# Altium PCB AiwacA33.PcbDoc (part 1 of 14)
Units mm, origin at the board's own origin, x right, y up, seen from the top; angles counter-clockwise.
Board outline 84.06 x 74 mm, 2 copper layers (Top Layer, Bottom Layer); 141 components, 152 nets, 23205 pads, 852 vias.
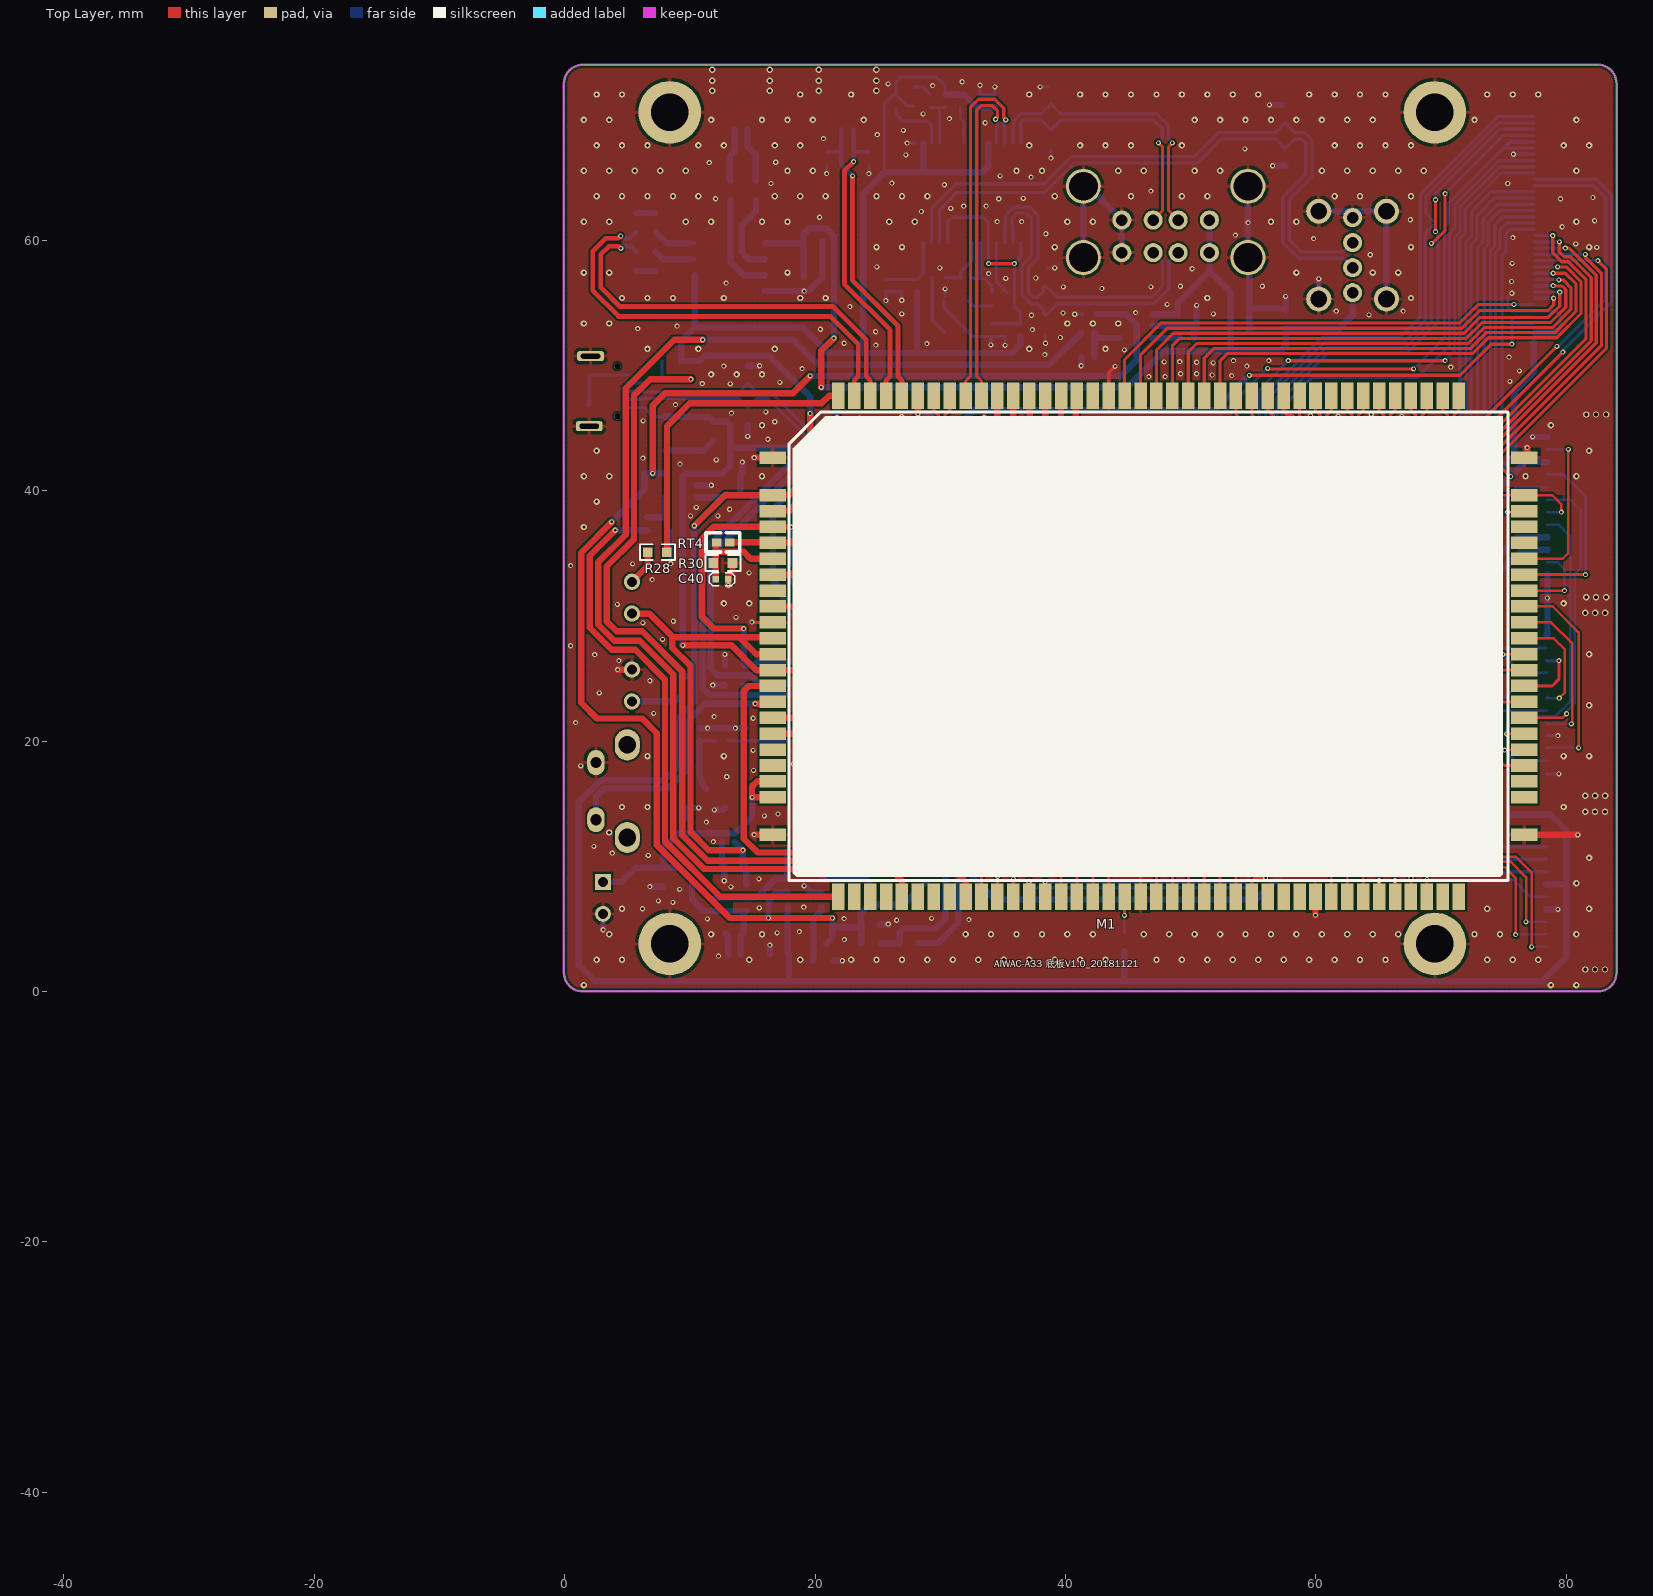
[diagram p0: Top Layer view]
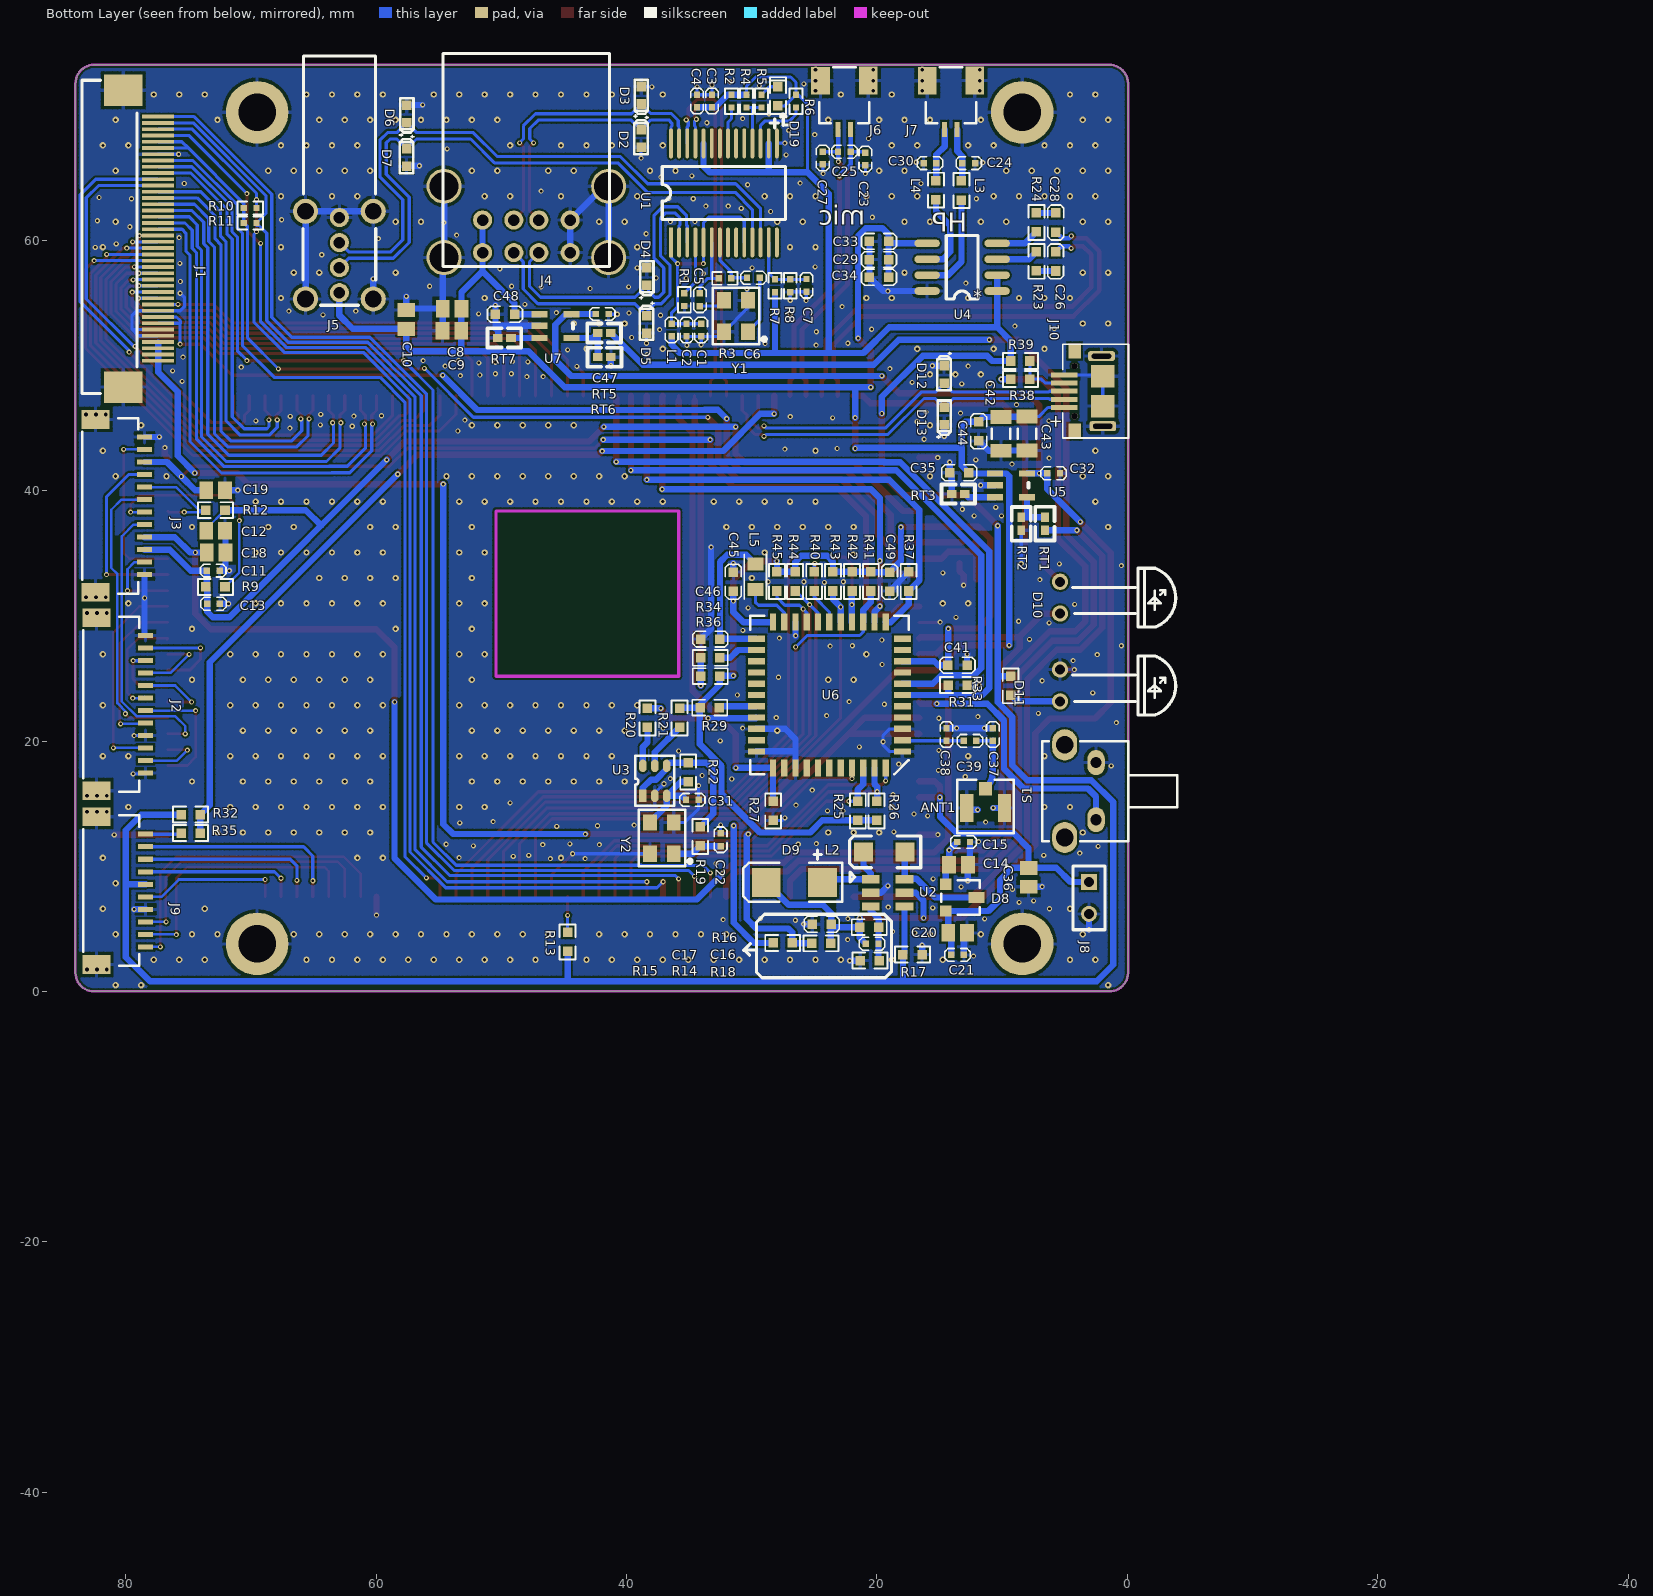
[diagram p1: Bottom Layer view, seen from below]
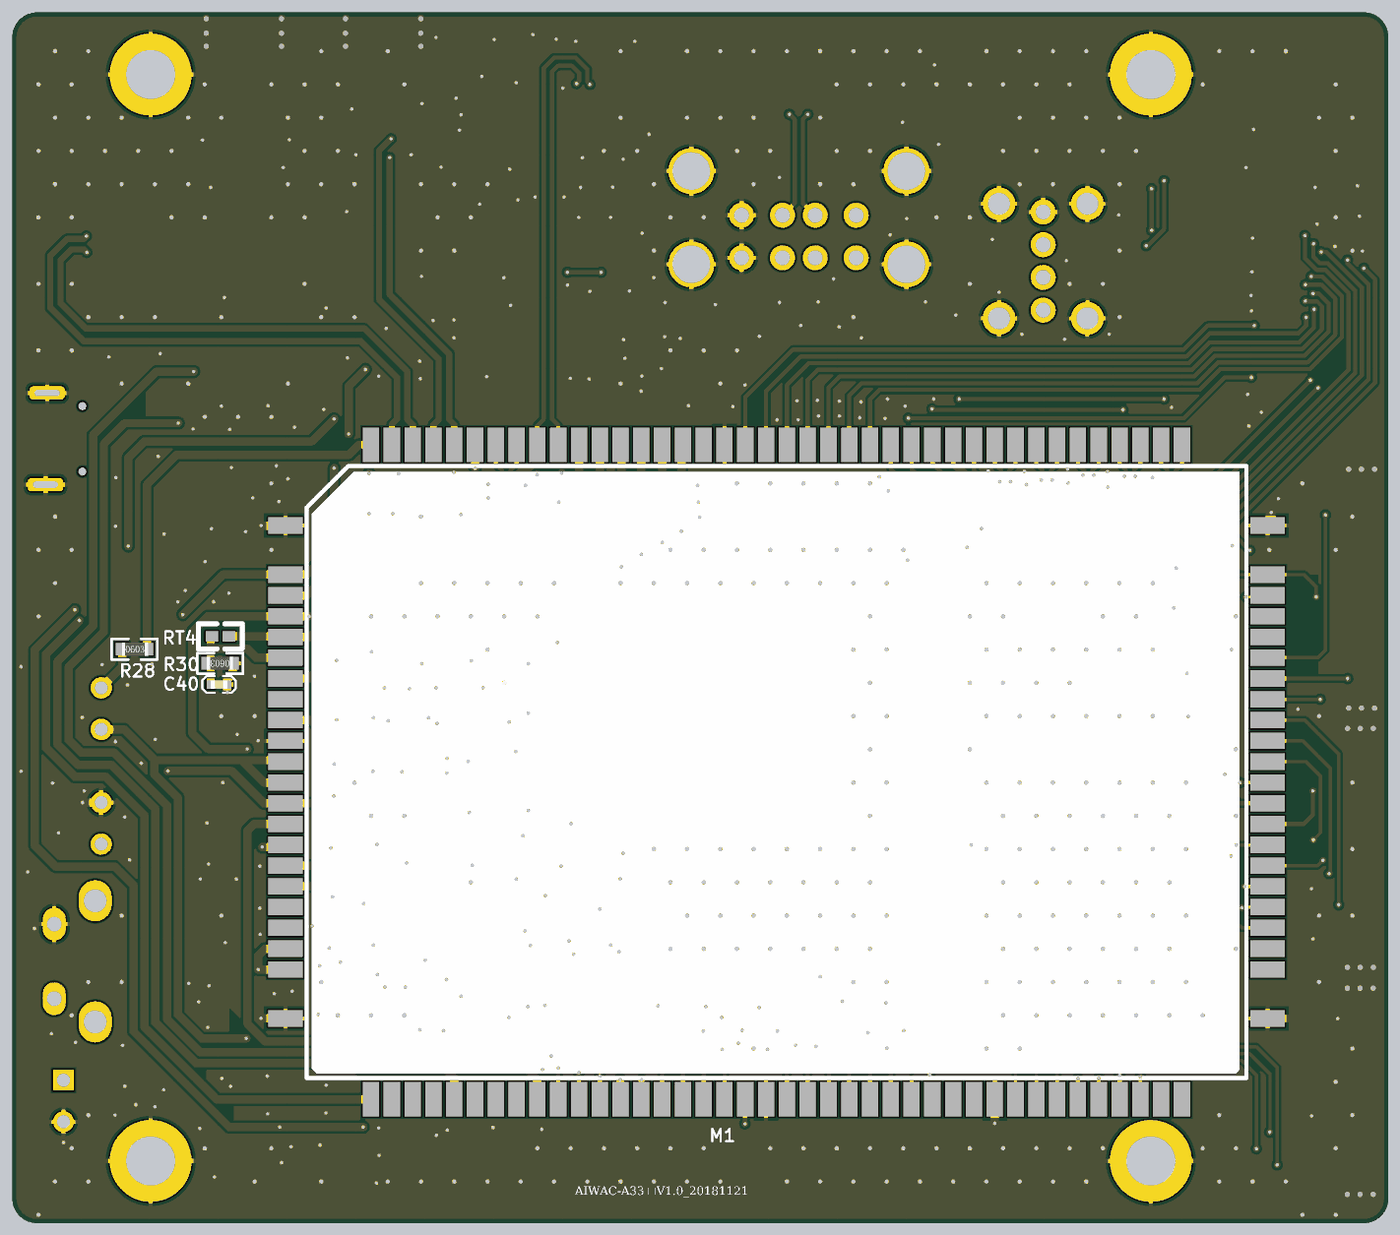
[diagram p15: 3D render of the assembled board from above, using the file's embedded part models]
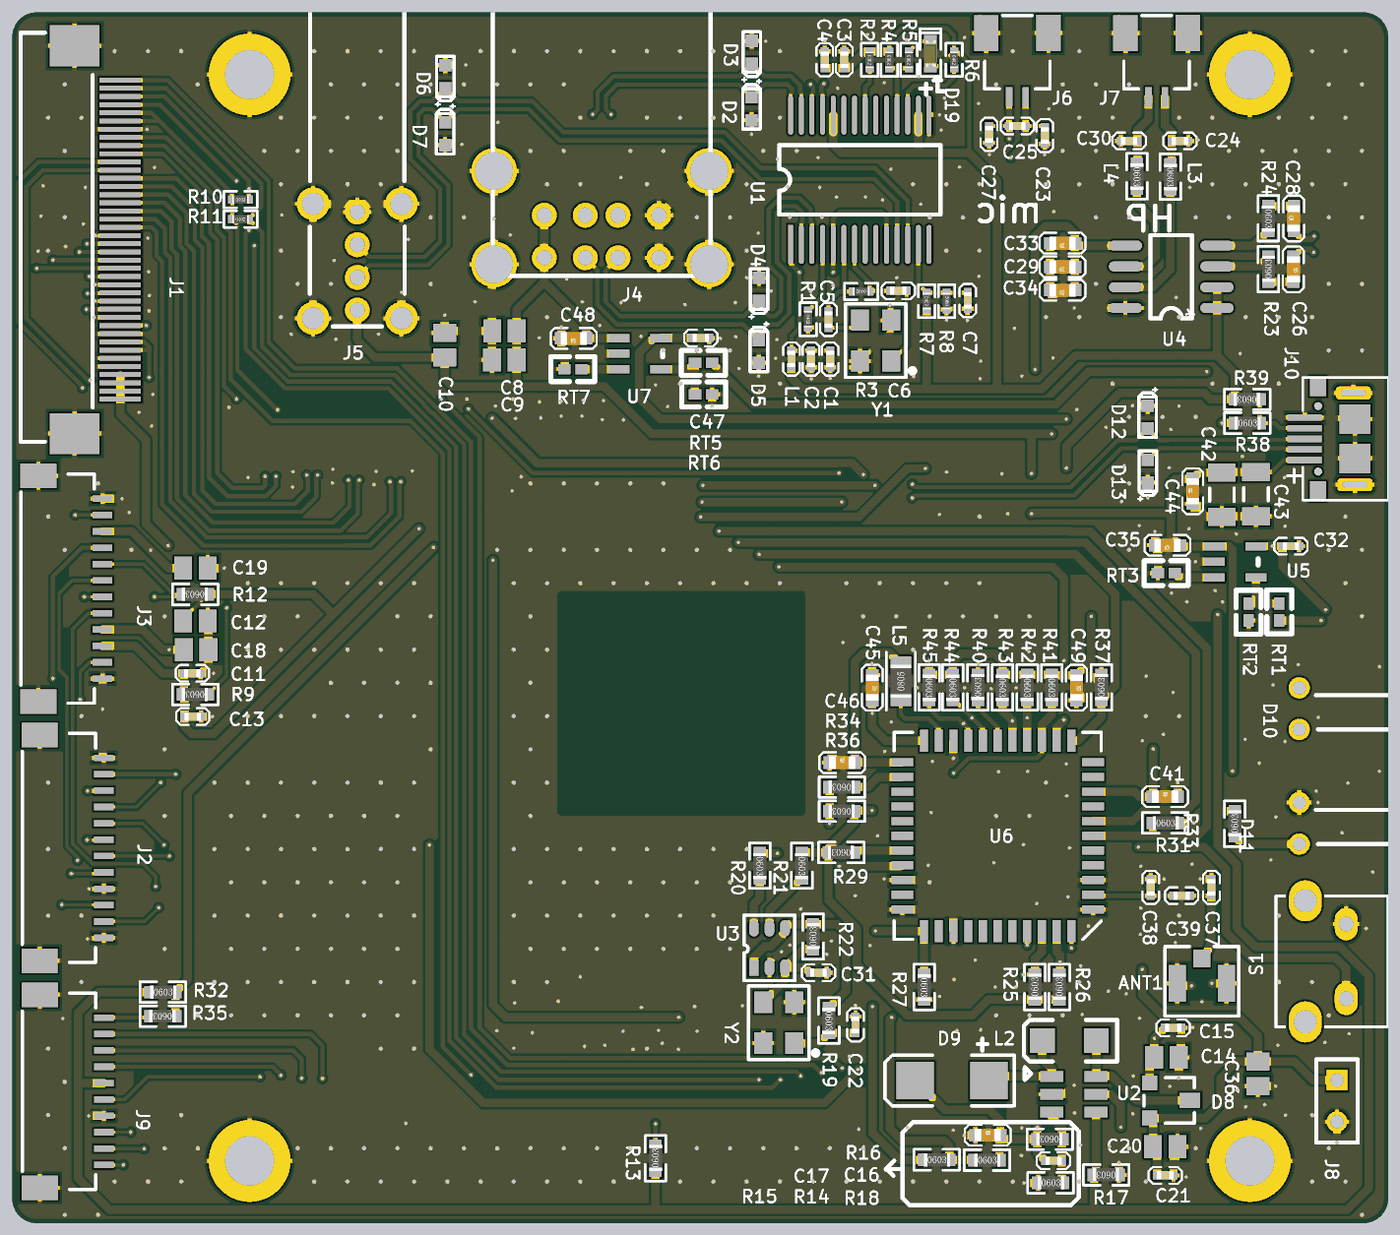
[diagram p16: 3D render of the assembled board from below, using the file's embedded part models]

## Layer stack, top to bottom
Top Solder: solder mask 0.0102, Solder Resist, Dk 3.5
Top Layer: signal copper 0.0356
Dielectric 1: dielectric 0.32, FR-4, Dk 4.8
Bottom Layer: signal copper 0.0356
Bottom Solder: solder mask 0.0102, Solder Resist, Dk 3.5

## Board outline
-0.056,1.5 -0.056,72.5 cw(c1.472,72.472) 1.5,74 82.5,74 cw(c82.5,72.5) 84,72.5 84,1.5 cw(c82.5,1.5) 82.5,0 1.5,0 cw(c1.472,1.528)

## Design rules (kind name [scope] priority, off if disabled: settings)
Clearance Clearance_1 [All] p1: gap=0.152
DiffPairsRouting [All] p1: maxlimit=0.254 minlimit=0.254 mostfreqgap=0.254 toplayer_minwidth=0.254 toplayer_maxwidth=0.381 toplayer_prefwidth=0.254 bottomlayer_minwidth=0.254 bottomlayer_maxwidth=0.381 bottomlayer_prefwidth=0.254 maxuncoupledlength=12.7
MinimumSolderMaskSliver [All] p1: minsoldermaskwidth=0.051
PlaneConnect [All] p1: planeconnectstyle=Direct reliefexpansion=0.508 reliefentries=4 reliefconductorwidth=0.254 reliefairgap=0.254
PolygonConnect PolygonConnect_2 [IsVia] p1: connectstyle=Direct reliefconductorwidth=0.254 reliefentries=4 polygonreliefangle="90 Angle" airgapwidth=0.254
PolygonConnect [All] p2: connectstyle=Relief reliefconductorwidth=0.254 reliefentries=4 polygonreliefangle="90 Angle" airgapwidth=0.254
RoutingVias [All] p1: holewidth=0.203 width=0.406 viastyle="Through Hole" minholewidth=0.203 minwidth=0.406 maxholewidth=0.203 maxwidth=0.406
SilkToSilkClearance [All] p1: silktosilkclearance=0.051
SilkToSolderMaskClearance [IsPad] p1: minsilkscreentomaskgap=0.051 clearancetoexposedcopper=TRUE
SolderMaskExpansion [All] p1: expansion=0.102
Width [All] p1: maxlimit=0.508 minlimit=0.152 preferedwidth=0.254 minimp=50.000000 maximp=50.000000 favimp=50.000000
25 further rules are at their usual default settings.

## Classes and differential pairs
differential pair NewDifferentialPair5: +USB-DM0 -USB-DP0
differential pair NewDifferentialPair4: +USB-DM1 -USB-DP1
differential pair NewDifferentialPair3: +DM4 -DP4
differential pair NewDifferentialPair2: +DM2 -DP2
differential pair NewDifferentialPair1: +DP1 -DM1
differential pair MIC: +MIC- -MIC+
differential pair HP: +HPL -HPR
differential pair NewDifferentialPair6: +LVDS0_VN0 -LVDS0_VP0
differential pair NewDifferentialPair7: +LVDS0_VN1 -LVDS0_VP1
differential pair NewDifferentialPair8: +LVDS0_VN2 -LVDS0_VP2
differential pair NewDifferentialPair9: +LCDS0_VN3 -LCDS0_VP3
differential pair NewDifferentialPair10: +LVDS0_VPC -LVDS0_VNC

## Components (designator, comment, footprint, x,y, rotation, side; value= is the part's Value field where it differs from the comment)
ANT1 "IPEX" J-IPEX 12.828,14.655 r90 bottom locked
C1 "0.1UF" C0402 34.038,53.323 r270 bottom locked
C2 "0.1UF" C0402 35.206,53.323 r270 bottom locked
C3 "0.1UF" C0402 33.174,71.611 r270 bottom locked
C4 "0.1UF" C0402 34.368,71.611 r270 bottom locked
C5 "22PF" C0402 34.138,54.724 r90 bottom locked
C6 "22PF" C0402 29.364,56.99 r0 bottom locked
C7 "0.1UF" C0402 25.629,56.896 r270 bottom locked
C8 "226K25V" C0805 53.931,54.534 r180 bottom locked
C9 "226K25V" C0805 53.944,52.756 r0 bottom locked
C10 "226K25V" C0805 57.582,53.658 r90 bottom locked
C11 "104J10V" C0402 73.508,33.604 r180 bottom locked
C12 "226M50V" C0805 72.808,36.805 r180 bottom locked
C13 "104J10V" C0402 73.482,30.963 r180 bottom locked
C14 "226K25V" C0805 13.49,10.135 r180 bottom locked
C15 "0.1UF" C0402 12.576,11.939 r0 bottom locked
C16 "0.1UF" C0402 20.899,3.811 r180 bottom locked
C17 "10UF" C0603 25.166,5.373 r180 bottom locked
C18 "226M50V" C0805 72.771,35.052 r180 bottom locked
C19 "226M50V" C0805 72.81,40.03 r180 bottom locked
C20 "226K25V" C0805 13.566,4.674 r0 bottom locked
C21 "0.1UF" C0402 14.074,2.922 r180 bottom locked
C22 "220J10V" C0402 32.487,11.608 r90 bottom locked
C23 "33PF" C0402 20.924,65.964 r90 bottom locked
C24 "1NF" C0402 13.177,66.142 r180 bottom locked
C25 "100PF" C0402 22.093,67.057 r0 bottom locked
C26 "4.7NF" C0603 5.74,59.055 r270 bottom locked
C27 "33PF" C0402 24.328,67.057 r270 bottom locked
C28 "4.7NF" C0603 5.715,60.642 r90 bottom locked
C29 "10UF" C0603 19.075,58.446 r0 bottom locked
C30 "1NF" C0402 15.26,66.142 r0 bottom locked
C31 "220J10V" C0402 35.255,15.303 r180 bottom locked
C32 "104J10V" C0402 5.385,41.377 r0 bottom locked
C33 "10UF" C0603 19.075,59.893 r0 bottom locked
C34 "1uf" C0603 19.075,57.024 r0 bottom locked
C35 "10UF" C0603 12.669,41.428 r0 bottom locked
C36 "226K25V" C0805 7.899,9.119 r270 bottom
C37 "NC" C0402 10.744,21.031 r270 bottom
C38 "NC" C0402 14.453,21.031 r270 bottom
C39 "330J10V" C0402 13.076,20.016 r180 bottom
C40 "104J10V" C0402 12.065,32.918 r0 top locked
C41 "106K50V" C0603 14.333,26.061 r180 bottom locked
C42 "220UF 20%" C1206 10.104,44.523 r270 bottom locked
C43 "220UF 20%" C1206 8.021,44.552 r270 bottom locked
C44 "106K50V" C0603 11.882,43.968 r90 bottom locked
C45 "475K16V" C0603 31.465,33.491 r270 bottom locked
C46 "475K16V" C0603 34.061,28.143 r180 bottom locked
C47 "104J10V" C0402 41.427,54.102 r0 bottom locked
C48 "10UF" C0603 48.941,54.077 r0 bottom locked
C49 "105K16V" C0603 18.994,33.491 r270 bottom locked
D2 "ESDA_TR1/0603" HS_0603D 38.837,68.11 r270 bottom locked
D3 "ESDA_TR1/0603" HS_0603D 38.824,71.564 r90 bottom locked
D4 "ESDA_TR1/0603" HS_0603D 38.379,57.074 r90 bottom locked
D5 "ESDA_TR1/0603" HS_0603D 38.392,53.276 r270 bottom locked
D6 "ESDA_TR1/0603" HS_0603D 57.544,70.066 r90 bottom locked
D7 "ESDA_TR1/0603" HS_0603D 57.556,66.586 r270 bottom locked
D8 "BAT54C" SOT23-BAT54C 13.287,7.494 r270 bottom locked
D9 "D Schottky" SMB 26.589,8.713 r0 bottom locked
D10 "发光二极管" LEDΦ5-H12 5.38,31.445 r270 bottom locked
D11 "发光二极管" LEDΦ5-H12 5.38,24.435 r270 bottom locked
D12 "ESDA_TR1/0603" HS_0603D 14.643,49.263 r270 bottom locked
D13 "ESDA_TR1/0603" HS_0603D 14.63,45.949 r90 bottom locked
D19 "LED0603G" D-LED0603G 27.91,70.714 r90 bottom locked
J1 "LCD_40P" "LCD P40" 80.188,48.258 r90 bottom locked
J2 "SH1.0-T-1-LT-12A_卧式" J-SH1.0-T-1-LT-12A_卧式 78.41,28.435 r270 bottom locked
J3 "SH1.0-T-1-LT-12A_卧式" J-SH1.0-T-1-LT-12A_卧式 78.486,44.278 r270 bottom locked
J4 "USB-双层" USB-双层卧式 51.497,59 r180 bottom
J5 "USB-A-F90-1P" USB-A-F90-侧卧 62.923,59.8 r180 bottom locked
J6 "SH1.0-T-1-LT-2A_卧式" J-SH1.0-T-1-LT-2A_卧式 22.101,68.826 r0 bottom locked
J7 "SH1.0-T-1-LT-2A_卧式" J-SH1.0-T-1-LT-2A_卧式 13.592,68.826 r0 bottom locked
J8 "S2.54-2P" S2.54-2P 3.073,8.738 r270 bottom locked
J9 "SH1.0-T-1-LT-10A_卧式" J-SH1.0-T-1-LT-10A_卧式 78.401,12.559 r270 bottom locked
J10 "USB-MINI-SOCKET" "MICRO-USB - 5.9" -0.083,44.185 r90 bottom locked
L1 "120R/0402" C0402 36.398,52.307 r90 bottom locked
L2 "3.3uH" D1206 17.775,11.151 r0 bottom locked
L3 "120R" R0603 13.254,64.72 r270 bottom locked
L4 "120R" R0603 15.291,64.745 r270 bottom locked
L5 "3.3uH" L0805 29.713,32.106 r90 bottom locked
M1 "A33 CORE2" A33-CORE2 16.629,39.635 r0 top locked
R1 "680R" R0402 35.382,55.753 r270 bottom locked
R2 "100K" R0402 31.618,71.603 r270 bottom locked
R3 "1M" R0402 31.633,56.939 r0 bottom locked
R4 "100K" R0402 30.424,71.603 r270 bottom locked
R5 "1K" R0402 29.222,71.603 r270 bottom locked
R6 "10K" R0402 26.467,71.603 r270 bottom locked
R7 "10K" R0402 28.141,56.863 r270 bottom locked
R8 "47K  NC" R0402 26.922,55.847 r90 bottom locked
R9 "100KF" R0603 72.06,32.309 r0 bottom locked
R10 "4.7KF" R0402 70.561,62.56 r180 bottom locked
R11 "4.7KF" R0402 70.561,61.366 r180 bottom locked
R12 "100KF" R0603 72.06,38.43 r0 bottom locked
R13 "10k" R0603 44.704,3.2 r90 bottom locked
R14 "0R" R0603 25.217,3.849 r180 bottom locked
R15 "0R" R0603 28.29,3.874 r180 bottom locked
R16 "10K" R0603 19.858,5.131 r0 bottom locked
R17 "10K" R0603 16.403,2.947 r0 bottom locked
R18 "10K" R0603 21.331,2.464 r180 bottom locked
R19 "100RF" R0603 34.112,13.144 r270 bottom locked
R20 "470RF" R0603 38.329,22.606 r270 bottom locked
R21 "3KF" R0603 35.763,22.606 r270 bottom locked
R22 "560KF" R0603 35.077,16.751 r90 bottom locked
R23 "150K" R0603 7.264,57.544 r90 bottom locked
R24 "150K" R0603 7.264,62.179 r270 bottom locked
R25 "10KF" R0603 21.534,13.666 r90 bottom locked
R26 "10KF" R0603 20.035,13.666 r90 bottom locked
R27 "100KF" R0603 28.29,15.19 r270 bottom locked
R28 "2.49KF" R0603 6.655,35.077 r0 top locked
R29 "0R" R0603 32.588,22.657 r0 bottom locked
R30 "10KF" R0603 13.411,34.214 r180 top locked
R31 "100KF" R0603 14.32,24.461 r180 bottom locked
R32 "100KF" R0603 75.565,14.122 r180 bottom locked
R33 "100R" R0603 9.322,23.647 r90 bottom
R34 "0R" R0603 32.55,26.645 r0 bottom locked
R35 "6.8KF" R0603 74.041,12.649 r0 bottom locked
R36 "10KF" R0603 32.55,25.172 r0 bottom locked
R37 "100KF" R0603 17.47,31.979 r90 bottom locked
R38 "1KF" R0603 9.317,48.896 r180 bottom locked
R39 "47KF" R0603 7.793,50.343 r0 bottom locked
R40 "33RF" R0603 25.014,31.979 r90 bottom locked
R41 "33KF" R0603 20.493,33.503 r270 bottom locked
R42 "33KF" R0603 21.991,33.503 r270 bottom locked
R43 "33KF" R0603 23.515,33.503 r270 bottom locked
R44 "33KF" R0603 26.538,33.503 r270 bottom locked
R45 "33KF" R0603 27.986,33.503 r270 bottom locked
RT1 "4.7K" 0402 6.599,37.872 r270 bottom locked
RT2 "100K" 0402 8.478,36.831 r90 bottom locked
RT3 "6.8K" 0402 14.016,39.726 r180 bottom locked
RT4 "10KF" 0402 12.141,35.865 r0 top locked
RT5 "4.7K" 0402 42.291,52.578 r180 bottom locked
RT6 "100K" 0402 41.25,50.648 r0 bottom locked
RT7 "6.8K" 0402 50.267,52.197 r180 bottom locked
S1 "KSMD6X6-4P" SW2-6*6H 3.759,15.997 r90 bottom locked
U1 "GL850G-HHG31" SSOP28 36.449,59.817 r90 bottom locked
U2 "LC3300" SOT23-6 20.493,8.967 r90 bottom locked
U3 "NL27WZU04" U-TSOP-6 38.694,15.621 r90 bottom locked
U4 "CS8508E" SO-8 10.409,55.931 r0 bottom locked
U5 "AP2191WG-7" SOT23-5 9.291,40.412 r180 bottom locked
U6 "AP6210" AP6210 17.978,19.17 r0 bottom locked
U7 "AP2191WG-7" SOT23-5 45.664,53.137 r180 bottom locked
Y1 "12MHz" Y-CPX-32GA-4P 30.309,52.686 r90 bottom locked
Y2 "26MHz" Y-CPX-32GA-4P 36.225,11 r90 bottom locked

## Footprints (in the part's own frame and the unit in brackets; to place one, negate y for a bottom-side part, rotate by r counter-clockwise, add the part's x,y. Pads: shape width x height; smd on the part's side, far side on the other; paste and mask are expansions set on the pad)
0402 [mil]
  rect 30x25 smd: 1(0,0) 2(41,0)
  silkscreen extent -33,-30 73,30
A33-CORE2 [mm]
  rect 2.1x1 smd: 1(0,0) 2(0,-1.27) 3(0,-2.54) 4(0,-3.81) 5(0,-5.08) 6(0,-6.35) 7(0,-7.62) 8(0,-8.89) 9(0,-10.16) 10(0,-11.43) 11(0,-12.7) 12(0,-13.97) 13(0,-15.24) 14(0,-16.51) 15(0,-17.78) 16(0,-19.05) 17(0,-20.32) 18(0,-21.59) 19(0,-22.86) 20(0,-24.13) 61(60,-24.13) 62(60,-22.86) 63(60,-21.59) 64(60,-20.32) 65(60,-19.05) 66(60,-17.78) 67(60,-16.51) 68(60,-15.24) 69(60,-13.97) 70(60,-12.7) 71(60,-11.43) 72(60,-10.16) 73(60,-8.89) 74(60,-7.62) 75(60,-6.35) 76(60,-5.08) 77(60,-3.81) 78(60,-2.54) 79(60,-1.27) 80(60,0) 121(0,3) 122(0,-27.13) 123(60,-27.13) 124(60,3)
  rect 1x2.1 smd: 21(5.235,-32.065) 22(6.505,-32.065) 23(7.775,-32.065) 24(9.045,-32.065) 25(10.315,-32.065) 26(11.585,-32.065) 27(12.855,-32.065) 28(14.125,-32.065) 29(15.395,-32.065) 30(16.665,-32.065) 31(17.935,-32.065) 32(19.205,-32.065) 33(20.475,-32.065) 34(21.745,-32.065) 35(23.015,-32.065) 36(24.285,-32.065) 37(25.555,-32.065) 38(26.825,-32.065) 39(28.095,-32.065) 40(29.365,-32.065) 41(30.635,-32.065) 42(31.905,-32.065) 43(33.175,-32.065) 44(34.445,-32.065) 45(35.715,-32.065) 46(36.985,-32.065) 47(38.255,-32.065) 48(39.525,-32.065) 49(40.795,-32.065) 50(42.065,-32.065) 51(43.335,-32.065) 52(44.605,-32.065) 53(45.875,-32.065) 54(47.145,-32.065) 55(48.415,-32.065) 56(49.685,-32.065) 57(50.955,-32.065) 58(52.225,-32.065) 59(53.495,-32.065) 60(54.765,-32.065) 81(54.765,7.935) 82(53.495,7.935) 83(52.225,7.935) 84(50.955,7.935) 85(49.685,7.935) 86(48.415,7.935) 87(47.145,7.935) 88(45.875,7.935) 89(44.605,7.935) 90(43.335,7.935) 91(42.065,7.935) 92(40.795,7.935) 93(39.525,7.935) 94(38.255,7.935) 95(36.985,7.935) 96(35.715,7.935) 97(34.445,7.935) 98(33.175,7.935) 99(31.905,7.935) 100(30.635,7.935) 101(29.365,7.935) 102(28.095,7.935) 103(26.825,7.935) 104(25.555,7.935) 105(24.285,7.935) 106(23.015,7.935) 107(21.745,7.935) 108(20.475,7.935) 109(19.205,7.935) 110(17.935,7.935) 111(16.665,7.935) 112(15.395,7.935) 113(14.125,7.935) 114(12.855,7.935) 115(11.585,7.935) 116(10.315,7.935) 117(9.045,7.935) 118(7.775,7.935) 119(6.505,7.935) 120(5.235,7.935)
  Keep-Out Layer lines w0.254: 19.2,-14.465 19.2,-1.265 33.8,-1.265 33.8,-14.465 19.2,-14.465
  silkscreen extent 1.3,-30.76 58.7,6.63, body extent 0,-32.06 59.69,7.94, height 1.5
AP6210 [mm]
  rect 1.35x0.5 smd: 1(0,0) 2(0,-0.9) 3(0,-1.8) 4(0,-2.7) 5(0,-3.6) 6(0,-4.5) 7(0,-5.4) 8(0,-6.3) 9(0,-7.2) 10(0,-8.1) 11(0,-9) 23(11.65,-9) 24(11.65,-8.1) 25(11.65,-7.2) 26(11.65,-6.3) 27(11.65,-5.4) 28(11.65,-4.5) 29(11.65,-3.6) 30(11.65,-2.7) 31(11.65,-1.8) 32(11.65,-0.9) 33(11.65,0)
  rect 0.5x1.35 smd: 12(1.325,-10.325) 13(2.225,-10.325) 14(3.125,-10.325) 15(4.025,-10.325) 16(4.925,-10.325) 17(5.825,-10.325) 18(6.725,-10.325) 19(7.625,-10.325) 20(8.525,-10.325) 21(9.425,-10.325) 22(10.325,-10.325) 34(10.325,1.325) 35(9.425,1.325) 36(8.525,1.325) 37(7.625,1.325) 38(6.725,1.325) 39(5.825,1.325) 40(4.925,1.325) 41(4.025,1.325) 42(3.125,1.325) 43(2.225,1.325) 44(1.325,1.325)
  silkscreen extent -0.5,-10.83 12.15,1.83, body extent -0.2,-10.5 11.9,1.5, height 1.5
C0402 [mil]
  rect 20x20 smd: 1(0,0) 2(40,0)
  silkscreen extent -20,-20 60,20, body extent 0,-10 40,10, height 20
C0603 [mil]
  rect 30x30 smd: 1(0,0) 2(60,0)
  silkscreen extent -25,-25 85,25, body extent -1,-15 61,16, height 12
C0805 [mm] "Chip Capacitor, Body 2.0x1.3mm, IPC High Density"
  rect 1.1x1.4 smd: 1(-0.75,0) 2(0.75,0)
  body extent -1.1,-0.72 1.1,0.72, height 1.4
C1206 [mm] "Chip Capacitor, Body 3.2x1.6mm, IPC High Density"
  rect 1.1x1.7 smd: 1(-1.35,0) 2(1.35,0)
  silkscreen extent -0.4,-0.75 0.4,0.75, body extent -1.7,-0.9 1.7,0.9, height 1.3
D1206 [mil]
  rect 60x60 smd: 1(0,0) 2(130,0)
  silkscreen extent -50,-50 174,50, body extent -22,-40 151,40, height 47
D-LED0603G [mil]
  rect 30x30 smd: 1(0,0) 2(60,0)
  silkscreen extent -25,-25 90,25, body extent -2,-16 62,15, height 24
HS_0603D [mil]
  rect 30x30 smd: 1(-27.5,0) 2(27.5,0)
  silkscreen extent -70,-21 49,23
J-IPEX [mm]
  rect 1.1x1.05 smd: 1(1.525,-1.5)
  rect 2.25x1.05 smd: 2(0,0) 3(0,-3)
  Top Layer pour cut-out: -1.125,-0.525 -1.125,-2.475 0.975,-2.475 0.975,-0.525
  silkscreen extent -2,-3.75 2.25,0.75
J-SH1.0-T-1-LT-2A_卧式 [mm]
  rect 0.4x1.2 smd: 1(0,0) 2(1,0)
  rect 1.5x2.22 smd: 3(-1.4,-3.92) 4(2.4,-3.9)
  silkscreen extent -1.5,-4.98 2.5,-0.5, body extent -1.5,-4.9 2.5,-0.5, height 3.05
J-SH1.0-T-1-LT-10A_卧式 [mm]
  rect 0.4x1.2 smd: 1(0,0) 2(1,0) 3(2,0) 4(3,0) 5(4,0) 6(5,0) 7(6,0) 8(7,0) 9(8,0) 10(9,0)
  rect 1.5x2.22 smd: 11(-1.4,-3.92) 12(10.4,-3.92)
  silkscreen extent -1.5,-4.98 10.5,-0.5
J-SH1.0-T-1-LT-12A_卧式 [mm]
  rect 0.4x1.2 smd: 1(0,0) 2(1,0) 3(2,0) 4(3,0) 5(4,0) 6(5,0) 7(6,0) 8(7,0) 9(8,0) 10(9,0) 11(10,0) 12(11,0)
  rect 1.5x2.22 smd: 13(-1.4,-3.92) 14(12.4,-3.92)
  silkscreen extent -1.5,-4.98 12.5,-0.5
L0805 [mil]
  rect 40x50 smd: 1(0,0) 2(80,0)
  silkscreen extent -30,-35 110,35, body extent 1,-25 79,25, height 22
"LCD P40" [mm] "0.5MM 下接"
  rect 0.3x2.54 smd: 1(2.1,-2.783) 2(2.6,-2.783) 3(3.1,-2.783) 4(3.6,-2.783) 5(4.1,-2.783) 6(4.6,-2.783) 7(5.1,-2.783) 8(5.6,-2.783) 9(6.1,-2.783) 10(6.6,-2.783) 11(7.1,-2.783) 12(7.6,-2.783) 13(8.1,-2.783) 14(8.6,-2.783) 15(9.1,-2.783) 16(9.6,-2.783) 17(10.1,-2.783) 18(10.6,-2.783) 19(11.1,-2.783) 20(11.6,-2.783) 21(12.1,-2.783) 22(12.6,-2.783) 23(13.1,-2.783) 24(13.6,-2.783) 25(14.1,-2.783) 26(14.6,-2.783) 27(15.1,-2.783) 28(15.6,-2.783) 29(16.1,-2.783) 30(16.6,-2.783) 31(17.1,-2.783) 32(17.6,-2.783) 33(18.1,-2.783) 34(18.6,-2.783) 35(19.1,-2.783) 36(19.6,-2.783) 37(20.1,-2.783) 38(20.6,-2.783) 39(21.1,-2.783) 40(21.6,-2.783)
  rect 2.5x3.048 smd: 41(23.7,0) 42(0,0)
  silkscreen extent -0.5,-1.1 24.5,3.3
LEDΦ5-H12 [mm] "LEDΦ5-12mm隔空90度插件"
  round 1.3 hole 0.8: A(1.27,0) K(-1.27,0)
  silkscreen extent -2.35,1.02 2.35,9.23
"MICRO-USB - 5.9" [mm]
  rect 1.2x1 smd: 0(0.55,4.307) 0(6.95,4.307)
  rect 0.4x2.1 smd: 1(2.45,5.132) 2(3.1,5.132) 3(3.75,5.132) 4(4.4,5.132) 5(5.05,5.132)
  rrect50% 0.8x2.15 hole 0.4 slot 1.55 at 90 deg: 6(0.95,2.057) 6(6.55,2.157)
  rect 1.8x1.9 smd: 6(2.556,2.057) 6(4.943,2.057)
  round 0.5 hole 0.5 unplated: ""(1.75,4.307) ""(5.75,4.307)
  silkscreen extent 0,0 7.5,5.25
R0402 [mil]
  rect 20x20 smd: 1(0,0) 2(40,0)
  silkscreen extent -20,-20 60,20, body extent 0,-10 40,10, height 14
R0603 [mil]
  rect 30x30 smd: 1(0,0) 2(60,0)
  silkscreen extent -25,-25 85,25, body extent 0,-16 62,15, height 18
S2.54-2P [mil]
  rect 50x50 hole 32: 1(0,0)
  round 50 hole 32: 2(100,0)
  silkscreen extent -50,-50 150,50, body extent -50,-50 150,50, height 315
SMB [mm] "DO-214-AA/SMB; 2 C-Bend Leads; Body 5.3 x 3.6 mm, inc. leads (LxW)"
  rect 2.3x2.3 smd: 1(-2.25,0) 2(2.25,0)
  silkscreen extent -3.8,-1.55 4.1,1.55
SO-8 [mil]
  oval 80x24 smd: 1(0,0) 2(0,-50) 3(0,-100) 4(0,-150) 5(220,-150) 6(220,-100) 7(220,-50) 8(220,0)
  silkscreen extent 60,-175 160,25
SOT23-5 [mil]
  rect 50x20 smd: 1(-50,37.5) 2(-50,0.5) 3(-50,-37.5) 4(50,-37.5) 5(50,37.5)
  silkscreen extent 55,-8 55,7
SOT23-6 [mil]
  rect 26x56 smd: 1(0,0) 2(-43,0) 3(-86,0) 4(-86,-106) 5(-43,-106) 6(0,-106)
SOT23-BAT54C [mil]
  rect 36x36 smd: 1(-42,-48.5) 2(42,-48.5)
  rect 36x50 smd: 3(-0.44,48.5)
  silkscreen extent -55,-62 55,59
SSOP28 [mil]
  rect 94x12 smd: 1(0,0)
  oval 94x12 smd: 2(0,-25.6) 3(0,-51.2) 4(0,-76.8) 5(0,-102.4) 6(0,-128) 7(0,-153.6) 8(0,-179.2) 9(0,-204.8) 10(0,-230.4) 11(0,-256) 12(0,-281.6) 13(0,-307.2) 14(0,-332.8) 15(311,-332.8) 16(311,-307.2) 17(311,-281.6) 18(311,-256) 19(311,-230.4) 20(311,-204.8) 21(311,-179.2) 22(311,-153.6) 23(311,-128) 24(311,-102.4) 25(311,-76.8) 26(311,-51.2) 27(311,-25.6) 28(311,0)
  silkscreen extent 72,-360 239,28
SW2-6*6H [mm] "2脚按键-6*6 横按"
  oval 2.5x2 hole 1.4: 0(-3.7,1.25) 0(3.7,1.25)
  oval 2x1.4 hole 0.9: 1(2.28,-1.25) 2(-2.28,-1.25)
  silkscreen extent -4,-7.75 4,3.05, body extent -3.94,-7.83 4.06,3.05, height 7.1
U-TSOP-6 [mm]
  rect 1x0.6 smd: 1(0,0)
  oval 1x0.6 smd: 2(0,-0.95) 3(0,-1.9) 4(2.4,-1.9) 5(2.4,-0.95) 6(2.4,0)
  silkscreen extent -0.8,-2.5 3.2,0.6
USB-A-F90-侧卧 [mm] "USB-A卧式插座2"
  round 1.524 hole 0.92: 1(0,-4) 2(0,-2) 3(0,0) 4(0,2)
  round 2 hole 1.35: 5(2.7,2.5) 6(2.7,-4.5) 7(-2.7,-4.5) 8(-2.7,2.5)
  silkscreen extent -2.9,-5 2.9,14.9
USB-双层卧式 [mm] "USB-A卧式插座2"
  round 1.524 hole 0.92: 1(0,0) 2(2.5,0) 3(4.5,0) 4(7,0) 5(0,2.6) 6(2.5,2.6) 7(4.5,2.6) 8(7,2.6)
  round 2.8 hole 2.3: 9(-3.07,-0.4) 10(10.07,-0.4) 11(-3.07,5.3) 12(10.07,5.3)
  silkscreen extent -3.15,-1.1 10.15,15.9
Y-CPX-32GA-4P [mm]
  rect 1.3x1.1 smd: 1(0,0) 2(2.5,0) 3(2.5,1.9) 4(0,1.9)
  silkscreen extent -1,-1.44 3.5,2.8

## Part data
ANT1: library part J-IPEX, "天线接口IPEX"
C1 C2 C3 C4 C5 C6 C7 C15 C16 C21: library part C0402X7R-101J10V, "贴片电容-陶瓷"
C8 C9 C10 C14 C20 C36: library part C0805X7R-226K25V, "贴片电容-陶瓷"
C11 C13 C23 C25 C27 C32 C40 C47: library part C0402X7R-104J10V, "贴片电容-陶瓷"
C12 C18 C19: library part C0805Y5V-226M50V, "贴片电容-陶瓷"
C17 C26 C28 C29 C33 C34 C35 C48: library part C0603X7R-330J25V, "贴片电容-陶瓷"
C22 C24 C30 C31 C37 C38: library part C0402X7R-220J10V, "贴片电容-陶瓷"
C39: library part C0402X7R-330J10V, "贴片电容-陶瓷"
C41 C44: library part C0603X7R-106K50V, "贴片电容-陶瓷"
C42 C43: library part "C1206-A型 极性电容", "C 1206钽电容 --220UF 10V 3216 A型 有极性电容 3.2mm X 1.6mm"
C45 C46: library part C0603X7R-475K16V, "贴片电容-陶瓷"
C49: library part C0603X7R-105K16V, "贴片电容-陶瓷"
D2 D3 D4 D5 D6 D7 D12 D13: library part "D Zener", "Zener Diode"
D9: "Schottky Diode"
D19: library part DLED-0603-G, "贴片二极管-LED"
J4: library part J-USB-双层卧式, "USB-B卧式插座"
J5: library part J-USB-A-F90-1P, "USB-A卧式插座"
J8: library part J-S2.54-2P, "单排排针-直针"
J10: library part J-USB-MINI-SOCKET, "USB-A卧式插座"
L1: library part 3.3uH, "贴片电感-屏蔽"
L2: "贴片电感-屏蔽"
L3 L4 R39: library part R0603-47KF, "贴片电阻-通用"
L5: library part L-0805-3.3uH, "贴片电感-层叠"
R1 R2 R3 R4 R5 R6 R7 R8: library part R0402-1KF, "贴片电阻-通用"
R9 R12 R27 R31 R32 R37: library part R0603-100KF, "贴片电阻-通用"
R10 R11: library part R0402-4.7KF, "贴片电阻-通用"
R13 R23 R24 R25 R26 R30 R36 RT1 RT2 RT3 RT4 RT5 RT6 RT7: library part R0603-10KF, "贴片电阻-通用"
R14 R15 R16 R17 R18 R33: library part R0603-2KF, "贴片电阻-通用"
R19: library part R0603-100RF, "贴片电阻-通用"
R20: library part R0603-470RF, "贴片电阻-通用"
R21 R28: library part R0603-3KF, "贴片电阻-通用"
R22: library part R0603-560KF, "贴片电阻-通用"
R29 R34: library part R0603-0R, "贴片电阻-通用"
R35: library part R0603-6.8KF, "贴片电阻-通用"
R38: library part R0603-1KF, "贴片电阻-通用"
R40: library part R0603-33RF, "贴片电阻-通用"
R41 R42 R43 R44 R45: library part R0603-33KF, "贴片电阻-通用"
S1: library part S-KSMD6X6-4P, "轻触按键"
Y1 Y2: library part YC-26MHz, "晶振-贴片无源"

## Free pads (board coordinates)
  round 5 hole 3 unplated: 0(8.4,3.8) 0(69.5,3.8)
  round 5 hole 3: 0(8.4,70.2) 0(69.5,70.2)